# Altium PCB Copy of BGA_ACUity.PcbDoc (part 3 of 5) (continued)
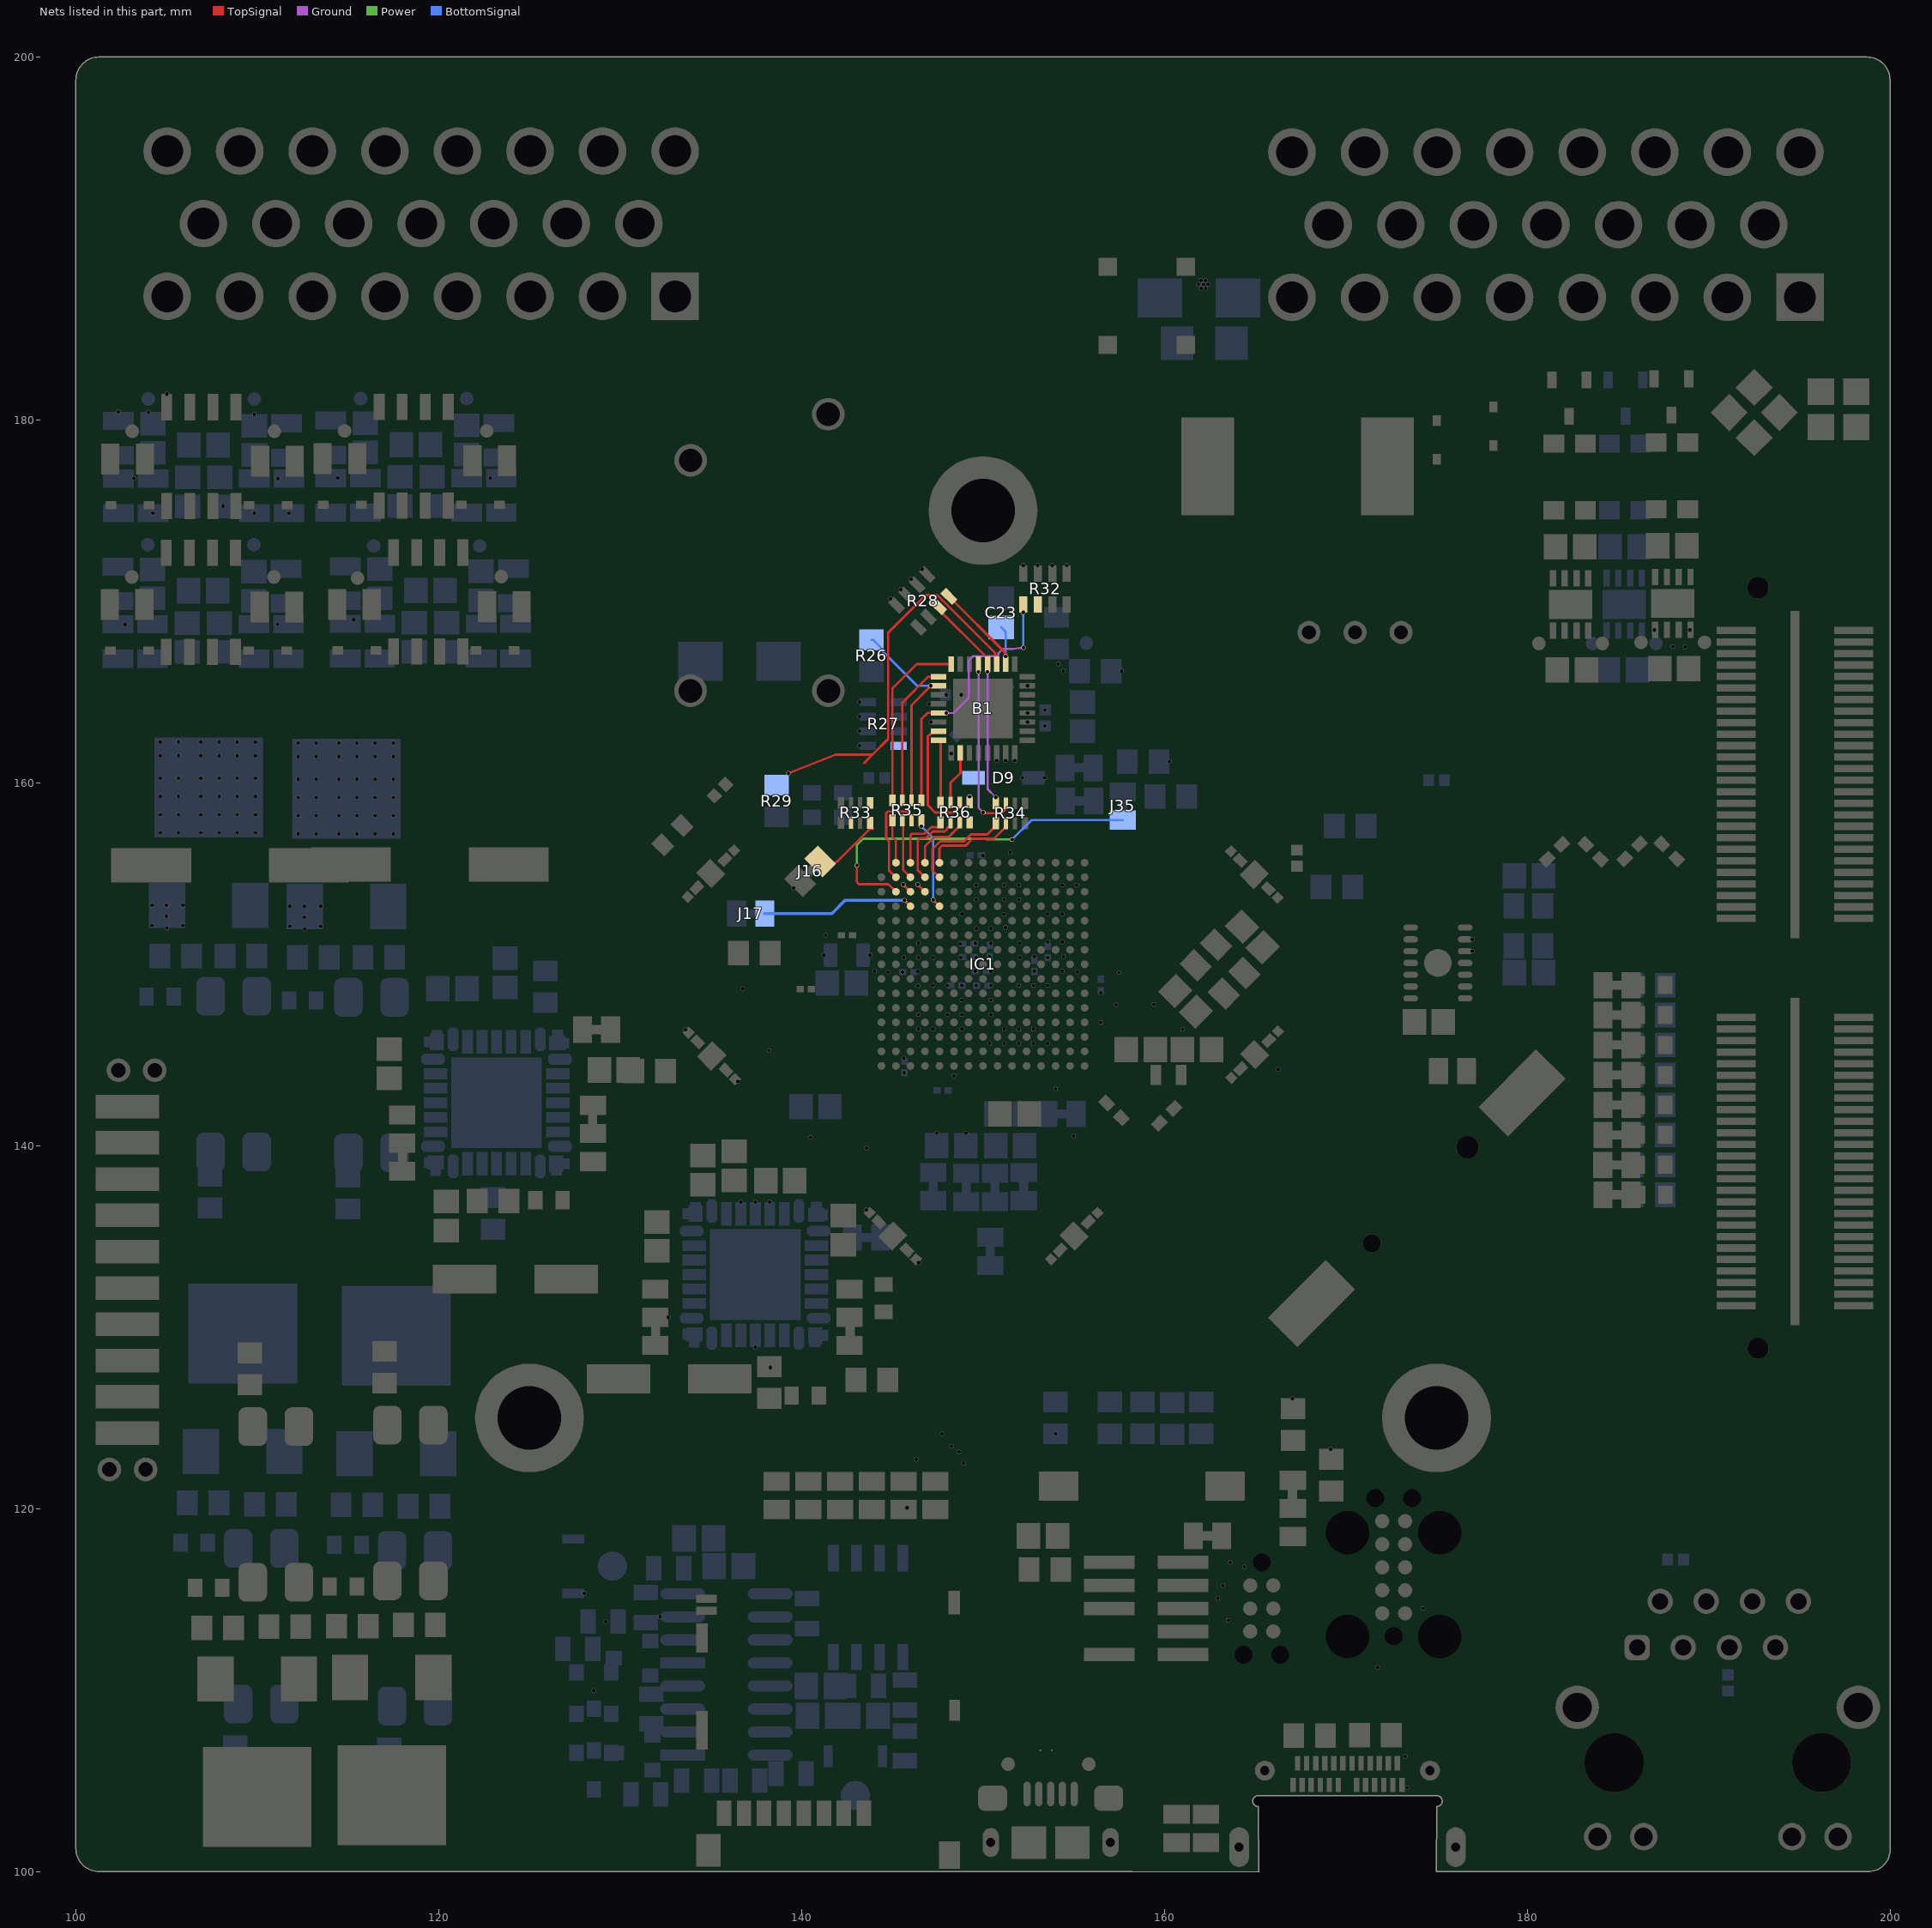
[diagram p5: the nets of this part, all layers, seen from the top]
## Part data (continued)
R31: library part RG2012P-1821-B-T5, "RES SMD 1.82K OHM 0.1% 1/8W 0805", Device Package="0805 (2012 Metric)", Manufacturer=Susumu, Operating Temperature="-55°C ~ 155°C", Power (Watts)="0.125W, 1/8W", Ratings=AEC-Q200, Supplier Device Package=0805, Supplier Part Number 1=RG20P1.82KBCT-ND, Temperature Coefficient=±25ppm/°C, Tolerance=±0.1%, ComponentLink1Description=Datasheet, ComponentLink1URL=http://www.susumu.co.jp/common/pdf/n_catalog_partition01_en.pdf, ComponentLink2Description="DigiKey Link", ComponentLink2URL=https://www.digikey.com/en/products/detail/susumu/RG2012P-1821-B-T5/1240695, Composition="Thin Film", Features="Anti-Sulfur, Automotive AEC-Q200", Height - Seated (Max)="0.020\" (0.50mm)", LastUpdated="08/02/2024 21:02:32", Lifecycle Status=Active, Minimum Order=1, Number of Terminations=2, Package / Case="0805 (2012 Metric)", Packaging=TapeAndReel, Part Number=RG2012P-1821-B-T5, Part Status=Active, PartId=29209, Price=0.05, Resistance="1.82 kOhms", Series=RG, Size / Dimension="0.079\" L x 0.049\" W (2.00mm x 1.25mm)", Supplier 1=DigiKey
R33 R34 R35 R36: library part EXB-28V433JX, "RES ARRAY 4 RES 43K OHM 0804", Manufacturer="Panasonic Electronic Components", Number of Resistors=4, Operating Temperature="-55°C ~ 125°C", Package / Case="0804, Convex, Long Side Terminals", Power Per Element=62.5mW, Resistance (Ohms)=43k, Supplier Device Package=0804, Supplier Part Number 1=Y7433CT-ND, Temperature Coefficient=±200ppm/°C, Tolerance=±5%, Applications="Automotive AEC-Q200", Circuit Type=Isolated, ComponentLink1Description=Datasheet, ComponentLink1URL=https://industrial.panasonic.com/cdbs/www-data/pdf/AOC0000/AOC0000C14.pdf, ComponentLink2Description="DigiKey Link", ComponentLink2URL=https://www.digikey.com/en/products/detail/panasonic-electronic-components/EXB-28V433JX/417403, Height - Seated (Max)="0.018\" (0.45mm)", LastUpdated="02/02/2024 21:35:40", Lifecycle Status=Active, Minimum Order=1, Mounting Type="Surface Mount", Number of Pins=8, Packaging=TapeAndReel, Part Number=EXB-28V433JX, Part Status=Active, PartId=428, Price=0.03, Series=EXB, Size / Dimension="0.079\" L x 0.039\" W (2.00mm x 1.00mm)", Supplier 1=DigiKey
R41 R53 R54 R55: library part RLP73V2BR016FTDF, "RES 0.016 OHM 1% 1/2W 1206", Device Package="1206 (3216 Metric)", Manufacturer="TE Connectivity Passive Product", Operating Temperature="-55°C ~ 155°C", Power (Watts)="0.5W, 1/2W", Supplier Device Package=1206, Supplier Part Number 1=A109626CT-ND, Temperature Coefficient=±600ppm/°C, Tolerance=±1%, ComponentLink1Description=Datasheet, ComponentLink1URL=https://www.te.com/commerce/DocumentDelivery/DDEController?Action=srchrtrv&DocNm=1773269&DocType=DS&DocLang=English, ComponentLink2Description="DigiKey Link", ComponentLink2URL=https://www.digikey.com/en/products/detail/te-connectivity-passive-product/RLP73V2BR016FTDF/4032001, Composition="Thick Film", Features="Current Sense", Height - Seated (Max)="0.026\" (0.65mm)", LastUpdated="09/02/2024 20:54:29", Lifecycle Status=Active, Minimum Order=1, Number of Terminations=2, Package / Case="1206 (3216 Metric)", Packaging=TapeAndReel, Part Number=RLP73V2BR016FTDF, Part Status=Active, PartId=30751, Price=0.16, Resistance="16 mOhms", Series="RL73, CGS", Size / Dimension="0.122\" L x 0.061\" W (3.10mm x 1.55mm)", Supplier 1=DigiKey
R48 R49: library part RR0510P-222-D, "RES SMD 2.2K OHM 0.5% 1/16W 0402", Device Package="0402 (1005 Metric)", Manufacturer=Susumu, Operating Temperature="-55°C ~ 125°C", Power (Watts)="0.063W, 1/16W", Supplier Part Number 1=RR05P2.2KDCT-ND, Temperature Coefficient=±25ppm/°C, Tolerance=±0.5%, ComponentLink1Description=Datasheet, ComponentLink1URL=http://www.susumu.co.jp/common/pdf/n_catalog_partition05_en.pdf, ComponentLink2Description="DigiKey Link", ComponentLink2URL=https://www.digikey.com/en/products/detail/susumu/RR0510P-222-D/432405, Composition="Thin Film", Height - Seated (Max)="0.016\" (0.40mm)", LastUpdated="09/02/2024 20:30:21", Lifecycle Status=Active, Minimum Order=1, Number of Terminations=2, Package / Case="0402 (1005 Metric)", Packaging=TapeAndReel, Part Number=RR0510P-222-D, Part Status=Active, PartId=3229, Price=0.01, Resistance="2.2 kOhms", Series=RR, Size / Dimension="0.039\" L x 0.020\" W (1.00mm x 0.50mm)", Supplier 1=DigiKey
R56 R66 R67 R68 R92 R93 U_Mosfets0_R45 U_Mosfets0_R46 U_Mosfets1_R45 U_Mosfets1_R46 U_Mosfets2_R45 U_Mosfets2_R46 U_Mosfets3_R45 U_Mosfets3_R46 U_Mosfets4_R45 U_Mosfets4_R46 U_Mosfets5_R45 U_Mosfets5_R46: library part 2176093-5, "RES SMD 10K OHM 0.1% 1/4W 0805", Device Package="0805 (2012 Metric)", Manufacturer="TE Connectivity Passive Product", Operating Temperature="-55°C ~ 155°C", Power (Watts)="0.25W, 1/4W", Supplier Device Package=0805, Supplier Part Number 1=A110639CT-ND, Temperature Coefficient=±25ppm/°C, Tolerance=±0.1%, ComponentLink1Description=Datasheet, ComponentLink1URL=https://www.te.com/commerce/DocumentDelivery/DDEController?Action=srchrtrv&DocNm=1773272&DocType=DS&DocLang=English, ComponentLink2Description="DigiKey Link", ComponentLink2URL=https://www.digikey.com/en/products/detail/te-connectivity-passive-product/2176093-5/4034107, Composition="Thin Film", Height - Seated (Max)="0.026\" (0.65mm)", LastUpdated="08/02/2024 21:02:35", Lifecycle Status=Active, Minimum Order=1, Number of Terminations=2, Package / Case="0805 (2012 Metric)", Packaging=TapeAndReel, Part Number=2176093-5, Part Status=Active, PartId=28478, Price=0.14, Resistance="10 kOhms", Series="RP73P, Holsworthy", Size / Dimension="0.079\" L x 0.049\" W (2.00mm x 1.25mm)", Supplier 1=DigiKey
S1: "Switch", Manufacturer_Name="TE Connectivity", Mouser Part Number=N/A, Arrow Part Number=1437566-4, Arrow Price/Stock=https://www.arrow.com/en/products/1437566-4/te-connectivity?region=europe, Datasheet Link=https://www.te.com/commerce/DocumentDelivery/DDEController?Action=showdoc&DocId=Customer+Drawing%7F1437566-3%7FC2%7Fpdf%7FEnglish%7FENG_CD_1437566-3_C7F14375662_1437566_3_1_c.dwg.pdf%-4, Height=4.87mm, Manufacturer_Part_Number=1437566-4, Mouser Price/Stock=https://www.mouser.co.uk/ProductDetail/TE-Connectivity-Alcoswitch/1437566-4?qs=xoXDFGdkQ2nbcMrTmW1sHA%3D%3D
T1: "WE-RJ45 LAN Transformer, THT, 1 Port, 10/100 Base-T, Tab Down", Manufacturer="Wurth Elektronik", Operating Temperature Max=70°C, Operating Temperature Min=0°C, Category="Filtered Connectors", ComponentLink1Description="Website Link", ComponentLink1URL=https://www.we-online.com/redexpert/article/74990111215A?ad, ComponentLink2Description="Datasheet Link", ComponentLink2URL=https://www.we-online.com/redexpert/spec/74990111215A?ad, Data Rate="10/100 Base-T", Height=13.74mm, LED=yellow-green, Length=21.84mm, Manufacturer Part Number=74990111215A, Match Code="WE-RJ45 LAN", Mount="Through Hole", Number of Ports=1, Packaging=Tube, PoE=non-PoE, Shield Tabs=Yes, Tab=Down, USB="No USB", Width=15.88mm
U1: "No Description Available", Mfr_Name="Traco Power", Copyright="Copyright (C) 2024 Ultra Librarian. All rights reserved.", Manufacturer_Part_Number="TSR 1-2450", RefDes=RefDes, Type=DEV
U2 U16: library part CMP-010-000001-5, "No Description Available", Mfr_Name=NXP, Design Item ID=MC33926PNBR2, RefDes=RefDes, Source=MC33926PNBR2.SchLib, Type=Type
U3: "No Description Available", Mfr_Name="Texas Instruments", RefDes=RefDes, Type="Power Management"
U4 U15: library part CMP-1685-00007-2, "IC OSC SGL TIMER 100KHZ 8-SOIC", Case/Package=SOIC, Frequency=100kHz, High Level Output Current=-200mA, Low Level Output Current=200mA, Max Operating Temperature=70°C, Max Supply Voltage=16V, Min Operating Temperature=0°C, Min Supply Voltage=4.5V, Operating Supply Current=10mA, Package Quantity=2500, Quiescent Current=15mA, Contact Plating=Gold, Height=1.58mm, Lead Free="Lead Free", Length=4.9mm, Mount="Surface Mount", Number of Pins=8, Number of Timers/Counters=1, Packaging="Tape and Reel", Radiation Hardening=No, REACH SVHC="No SVHC", Weight=0.002561oz, Width=3.91mm
U17 U18 U_Mosfets0_U5 U_Mosfets1_U5 U_Mosfets2_U5 U_Mosfets3_U5 U_Mosfets4_U5 U_Mosfets5_U5: "Optoisolator Transistor Output 5000Vrms 1 Channel 4-SMD", Package="SMD-4 Sharp Microelectronics", Availability="In Stock", Check_prices=https://www.snapeda.com/parts/PC817XI/Sharp+Microelectronics/view-part/?ref=eda, MF="Sharp Microelectronics", MP=PC817XI, Price=None, Purchase-URL=https://pricing.snapeda.com/search/part/PC817XI/?ref=eda, SnapEDA_Link=https://www.snapeda.com/parts/PC817XI/Sharp+Microelectronics/view-part/?ref=snap
U_ADC-Filter0_C78 U_ADC-Filter0_C79 U_ADC-Filter0_C80 U_ADC-Filter0_C88 U_ADC-Filter1_C78 U_ADC-Filter1_C79 U_ADC-Filter1_C80 U_ADC-Filter1_C88 U_ADC-Filter2_C78 U_ADC-Filter2_C79 U_ADC-Filter2_C80 U_ADC-Filter2_C88 U_ADC-Filter3_C78 U_ADC-Filter3_C79 U_ADC-Filter3_C80 U_ADC-Filter3_C88: library part 08055F473K4T2A, "CAP CER 0.047UF 50V X8R 0805", Device Package="0805 (2012 Metric)", Manufacturer="AVX Corporation", Operating Temperature="-55°C ~ 150°C", Ratings=AEC-Q200, Supplier Part Number 1=478-3612-1-ND, Temperature Coefficient=X8R, Tolerance=±10%, Voltage - Rated=50V, Applications=Automotive, Capacitance=0.047µF, ComponentLink1Description=Datasheet, ComponentLink1URL=http://datasheets.avx.com/AutoMLCC.pdf, ComponentLink2Description="DigiKey Link", ComponentLink2URL=http://digikey.com/product-detail/en/avx-corporation/08055F473K4T2A/478-3612-1-ND/1024965, Features="High Temperature", LastUpdated="02/09/2020 01:04:39", Lifecycle Status=Active, Minimum Order=1, Mounting Type="Surface Mount, MLCC", Package / Case="0805 (2012 Metric)", Packaging=TapeAndReel, Part Number=08055F473K4T2A, Part Status=Active, PartId=3914, Price=0.06, Series=-, Size / Dimension="0.079\" L x 0.049\" W (2.01mm x 1.25mm)", Supplier 1=DigiKey, Thickness (Max)="0.037\" (0.94mm)"
U_ADC-Filter0_R81 U_ADC-Filter0_R82 U_ADC-Filter0_R83 U_ADC-Filter0_R84 U_ADC-Filter0_R85 U_ADC-Filter0_R86 U_ADC-Filter0_R87 U_ADC-Filter0_R88 U_ADC-Filter1_R81 U_ADC-Filter1_R82 U_ADC-Filter1_R83 U_ADC-Filter1_R84 U_ADC-Filter1_R85 U_ADC-Filter1_R86 U_ADC-Filter1_R87 U_ADC-Filter1_R88 U_ADC-Filter2_R81 U_ADC-Filter2_R82 U_ADC-Filter2_R83 U_ADC-Filter2_R84 U_ADC-Filter2_R85 U_ADC-Filter2_R86 U_ADC-Filter2_R87 U_ADC-Filter2_R88 U_ADC-Filter3_R81 U_ADC-Filter3_R82 U_ADC-Filter3_R83 U_ADC-Filter3_R84 U_ADC-Filter3_R85 U_ADC-Filter3_R86 U_ADC-Filter3_R87 U_ADC-Filter3_R88: library part RES_0805, "Resistor SMD 0805"
U_Mosfets0_Q1 U_Mosfets1_Q1 U_Mosfets2_Q1 U_Mosfets3_Q1 U_Mosfets4_Q1 U_Mosfets5_Q1: "No Description Available", Mfr_Name="Renesas Electronics", RefDes=RefDes, Type=Type
U_Mosfets0_R44 U_Mosfets1_R44 U_Mosfets2_R44 U_Mosfets3_R44 U_Mosfets4_R44 U_Mosfets5_R44: library part JR0805X35E, "0805 35 AMP JUMPER", Device Package="0805 (2012 Metric)", Manufacturer=Ohmite, Operating Temperature="-55°C ~ 150°C", Power (Watts)=0.245W, Resistance="0 Ohms", Supplier Device Package=0805, Supplier Part Number 1=JR0805X35ECT-ND, Tolerance=Jumper, ComponentLink1Description=Datasheet, ComponentLink1URL=https://www.ohmite.com/assets/docs/res_jr.pdf?r=false, ComponentLink2Description="DigiKey Link", ComponentLink2URL=https://www.digikey.com/en/products/detail/ohmite/JR0805X35E/10233372, Composition="Metal Element", Height - Seated (Max)="0.022\" (0.55mm)", LastUpdated="08/02/2024 21:02:32", Lifecycle Status=Active, Minimum Order=1, Number of Terminations=2, Package / Case="0805 (2012 Metric)", Packaging=TapeAndReel, Part Number=JR0805X35E, Part Status=Active, PartId=29311, Price=0.06, Series=JR, Size / Dimension="0.079\" L x 0.049\" W (2.00mm x 1.25mm)", Supplier 1=DigiKey
U_TransceiversCanFD0_C6 U_TransceiversCanFD0_C7 U_TransceiversCanFD1_C6 U_TransceiversCanFD1_C7 U_TransceiversCanFD2_C6 U_TransceiversCanFD2_C7: library part CC0805MRX7R9BB104, "CAP CER 0.1UF 50V X7R 0805", Capacitance="0.1 µF", Device Package="0805 (2012 Metric)", Manufacturer=Yageo, Operating Temperature="-55°C ~ 125°C", Supplier Part Number 1=311-4351-1-ND, Temperature Coefficient=X7R, Tolerance=±20%, Voltage - Rated=50V, Applications="General Purpose", ComponentLink1Description=Datasheet, ComponentLink1URL=https://www.yageo.com/upload/media/product/productsearch/datasheet/mlcc/UPY-GPHC_X7R_6.3V-to-50V_18.pdf, ComponentLink2Description="DigiKey Link", ComponentLink2URL=https://www.digikey.com/en/products/detail/yageo/CC0805MRX7R9BB104/5884281, LastUpdated="09/02/2024 20:16:09", Lifecycle Status=Active, Minimum Order=1, Mounting Type="Surface Mount, MLCC", Package / Case="0805 (2012 Metric)", Packaging=TapeAndReel, Part Number=CC0805MRX7R9BB104, Part Status=Active, PartId=2475, Price=0.01, Series=CC, Size / Dimension="0.079\" L x 0.049\" W (2.00mm x 1.25mm)", Supplier 1=DigiKey, Thickness (Max)="0.037\" (0.95mm)"
U_TransceiversCanFD0_FL1 U_TransceiversCanFD1_FL1 U_TransceiversCanFD2_FL1: "Filter", Manufacturer_Name=COILCRAFT, Mouser Part Number=994-1812CAN-223NRC, Datasheet Link=https://www.coilcraft.com/getmedia/07970769-ca48-411d-9c96-6ae867bbb31e/1812can.pdf, Height=3mm, Manufacturer_Part_Number=1812CAN-223NRC, Mouser Price/Stock=https://www.mouser.co.uk/ProductDetail/Coilcraft/1812CAN-223NRC?qs=wnTfsH77Xs58ULcmqHaGYA%3D%3D
U_TransceiversCanFD0_IC2 U_TransceiversCanFD1_IC2 U_TransceiversCanFD2_IC2: "Integrated Circuit", Arrow Part Number=MCP2542FD-E/MF, Manufacturer_Name=Microchip, Mouser Part Number=579-MCP2542FD-E/MF, Arrow Price/Stock=https://www.arrow.com/en/products/mcp2542fd-emf/microchip-technology?region=nac, Datasheet Link=http://ww1.microchip.com/downloads/en/devicedoc/20005514a.pdf, Height=1mm, Manufacturer_Part_Number=MCP2542FD-E/MF, Mouser Price/Stock=https://www.mouser.co.uk/ProductDetail/Microchip-Technology-Atmel/MCP2542FD-E-MF?qs=l7cgNqFNU1jog4BwTzULBw%3D%3D
U_TransceiversCanFD0_U6 U_TransceiversCanFD1_U6 U_TransceiversCanFD2_U6: "No Description Available", Mfr_Name="Littelfuse Inc", RefDes=RefDes, Type=Type
VR1: "Variable Resistor", Manufacturer_Name="TE Connectivity", Mouser Part Number=279-3203X103P, Arrow Part Number=3203X103P, Arrow Price/Stock=https://www.arrow.com/en/products/3203x103p/te-connectivity?region=nac, Datasheet Link=http://uk.rs-online.com/web/p/products/1643597, Height=2mm, Manufacturer_Part_Number=3203X103P, Mouser Price/Stock=https://www.mouser.co.uk/ProductDetail/TE-Connectivity-Holsworthy/3203X103P?qs=XJ0cKXPVHETivrJ39hPSBw%3D%3D
Y1: library part 830062558, "WE-XTAL Watch Crystal, SMT, IQXC-25, 32.768kHz, +/-10ppm", Case/Size Code=IQXC-25, Frequency Tolerance=+/-10ppm, Load Capacitance=9pF, Manufacturer="Wurth Elektronik", Operating Temperature Max=85°C, Operating Temperature Min=-40°C, Category=Crystals, ComponentLink1Description="Website Link", ComponentLink1URL=https://www.we-online.com/redexpert/article/830062558?ad, ComponentLink2Description="Datasheet Link", ComponentLink2URL=https://www.we-online.com/redexpert/spec/830062558?ad, Frequency=32.768kHz, Height=0.6mm, Length=2mm, Manufacturer Part Number=830062558, Match Code=WE-XTAL, Mount="Surface Mount", Packaging="Tape and Reel", Width=1.2mm
Y2 Y3: library part 830108207209, "WE-XTAL Quartz Crystal, SMT, CFPX-180, 20MHz, +/-10ppm", Case/Size Code=CFPX-180, Frequency Stability=+/-20ppm, Frequency Tolerance=+/-10ppm, Load Capacitance=8pF, Manufacturer="Wurth Elektronik", Operating Temperature Max=85°C, Operating Temperature Min=-40°C, Category=Crystals, ComponentLink1Description="Website Link", ComponentLink1URL=https://www.we-online.com/redexpert/article/830108207209?ad, ComponentLink2Description="Datasheet Link", ComponentLink2URL=https://www.we-online.com/redexpert/spec/830108207209?ad, Frequency=20MHz, Height=0.8mm, Length=3.4mm, Manufacturer Part Number=830108207209, Match Code=WE-XTAL, Mount="Surface Mount", Packaging="Tape and Reel", Width=2.7mm
Y4: "WE-SPXO Simple Packaged Quartz Oscillator, SMT, IQXO-791, 50MHz, 3.3V", Case/Size Code=IQXO-791, Frequency=50MHz, Frequency Stability=+/-25ppm, Manufacturer="Wurth Elektronik", Operating Temperature Max=70°C, Operating Temperature Min=-20°C, Supply Voltage=3.3V, Category=Oscillators, ComponentLink1Description="Website Link", ComponentLink1URL=https://www.we-online.com/redexpert/article/830208220901?ad, ComponentLink2Description="Datasheet Link", ComponentLink2URL=https://www.we-online.com/redexpert/spec/830208220901?ad, Height=1mm, Length=2.5mm, Manufacturer Part Number=830208220901, Match Code=WE-SPXO, Mount="Surface Mount", Packaging="Tape and Reel", Width=2mm

## Free pads (board coordinates)
  round 0.25 hole 0.2 unplated: 1(102.342,180.447) 1(102.711,168.734) 1(103.194,176.786) 1(103.993,180.427) 1(104.197,152.151) 1(104.197,153.251) 1(104.247,174.872) 1(104.647,157.251) 1(104.647,157.251) 1(104.647,158.251) 1(104.647,159.251) 1(104.647,160.251) 1(104.647,161.501) 1(104.647,162.251) 1(104.997,152.651) 1(104.997,153.251) 1(105.009,181.431) 1(105.017,151.997) 1(105.647,157.251) 1(105.647,157.251) 1(105.647,158.251) 1(105.647,159.251) 1(105.647,160.251) 1(105.647,161.501) 1(105.647,162.251) 1(105.897,152.151) 1(105.897,153.251) 1(106.897,157.251) 1(106.897,157.251) 1(106.897,158.251) 1(106.897,159.251) 1(106.897,160.251) 1(106.897,161.501) 1(106.897,162.251) 1(107.897,157.251) 1(107.897,157.251) 1(107.897,158.251) 1(107.897,159.251) 1(107.897,160.251) 1(107.897,161.501) 1(107.897,162.251) 1(108.105,175.256) 1(108.897,157.251) 1(108.897,157.251) 1(108.897,158.251) 1(108.897,159.251) 1(108.897,160.251) 1(108.897,161.501) 1(108.897,162.251) 1(109.835,174.872) 1(109.835,180.32) 1(109.897,157.251) 1(109.897,157.251) 1(109.897,158.251) 1(109.897,159.251) 1(109.897,160.251) 1(109.897,161.501) 1(109.897,162.251) 1(111.116,168.741) 1(111.14,176.772) 1(111.74,174.872) 1(111.792,152.094) 1(111.792,153.194) 1(112.242,157.194) 1(112.242,157.194) 1(112.242,158.194) 1(112.242,159.194) 1(112.242,160.194) 1(112.242,161.444) 1(112.242,162.194) 1(112.592,152.594) 1(112.592,153.194) 1(112.613,151.941) 1(113.242,157.194) 1(113.242,157.194) 1(113.242,158.194) 1(113.242,159.194) 1(113.242,160.194) 1(113.242,161.444) 1(113.242,162.194) 1(113.492,152.094) 1(113.492,153.194) 1(114.441,176.804) 1(114.492,157.194) 1(114.492,157.194) 1(114.492,158.194) 1(114.492,159.194) 1(114.492,160.194) 1(114.492,161.444) 1(114.492,162.194) 1(115.316,168.986) 1(115.492,157.194) 1(115.492,157.194) 1(115.492,158.194) 1(115.492,159.194) 1(115.492,160.194) 1(115.492,161.444) 1(115.492,162.194) 1(116.492,157.194) 1(116.492,157.194) 1(116.492,158.194) 1(116.492,159.194) 1(116.492,160.194) 1(116.492,161.444) 1(116.492,162.194) 1(117.492,157.194) 1(117.492,157.194) 1(117.492,158.194) 1(117.492,159.194) 1(117.492,160.194) 1(117.492,161.444) 1(117.492,162.194) 1(122.844,176.792) 1(128.013,115.333) 1(128.549,109.975) 1(129.201,113.785) 1(132.209,114.039) 1(132.65,130.55) 1(133.6,146.4) 1(136.491,143.537) 1(136.65,136.9) 1(136.756,148.654) 1(137.45,128.9) 1(137.45,136.9) 1(138.206,145.244) 1(138.25,136.9) 1(138.279,127.783) 1(139.275,160.525) 1(139.556,154.206) 1(140.506,140.471) 1(141.22,150.507) 1(141.326,151.6) 1(143.05,155.451) 1(143.2,162.05) 1(143.2,162.85) 1(143.2,163.65) 1(143.2,164.45) 1(143.561,136.467) 1(143.575,139.875) 1(143.575,139.875) 1(143.77,150.507) 1(144.032,149.632) 1(144.768,149.568) 1(144.905,170.153) 1(145.473,170.661) 1(145.568,149.568) 1(145.6,154.4) 1(145.632,144.832) 1(145.632,150.368) 1(145.661,144.024) 1(145.674,153.528) 1(145.815,120.049) 1(146.039,171.227) 1(146.323,122.716) 1(146.4,149.6) 1(146.4,154.4) 1(146.417,148.817) 1(146.431,150.368) 1(146.432,146.432) 1(146.432,147.232) 1(146.432,151.168) 1(146.45,133.55) 1(146.604,157.609) 1(146.642,171.781) 1(147.025,164.35) 1(147.125,163.35) 1(147.125,165.35) 1(147.232,146.432) 1(147.232,148.832) 1(147.232,150.368) 1(147.25,153.55) 1(147.45,140.7) 1(147.752,124.13) 1(147.975,163.85) 1(147.975,164.85) 1(148.032,147.232) 1(148.032,148.832) 1(148.249,161.619) 1(148.255,123.445) 1(148.403,143.861) 1(148.667,123.138) 1(148.742,151.13) 1(148.767,150.367) 1(148.805,164.85) 1(148.832,146.432) 1(148.832,147.232) 1(148.832,148.032) 1(148.832,148.832) 1(148.832,152.768) 1(148.92,122.504) 1(149.05,140.7) 1(149.263,159.244) 1(149.568,149.632) 1(149.581,151.167) 1(149.632,148.832) 1(149.632,151.968) 1(149.632,153.568) 1(149.632,154.368) 1(149.633,150.367) 1(149.75,166.125) 1(150,155.983) 1(150.014,158.375) 1(150.25,166.125) 1(150.368,145.632) 1(150.368,150.432) 1(150.432,147.232) 1(150.432,148.032) 1(150.432,148.832) 1(150.432,149.632) 1(150.432,151.168) 1(150.432,151.968) 1(150.707,159.202) 1(150.75,161.225) 1(151.155,152.756) 1(151.168,145.632) 1(151.168,146.432) 1(151.168,153.568) 1(151.168,154.368) 1(151.232,152.032) 1(151.25,161.225) 1(151.25,166.975) 1(151.498,156.177) 1(151.6,156.875) 1(151.75,161.225) 1(151.968,145.632) 1(151.968,146.432) 1(151.968,148.832) 1(151.968,153.568) 1(151.968,154.368) 1(152.032,150.368) 1(152.032,151.168) 1(152.155,160.274) 1(152.216,169.388) 1(152.216,171.988) 1(152.225,167.45) 1(152.45,163.35) 1(152.45,163.85) 1(152.45,165.35) 1(152.768,145.632) 1(152.768,146.432) 1(152.768,148.832) 1(152.832,149.632) 1(152.832,150.432) 1(153.014,171.991) 1(153.405,160.274) 1(153.416,163.136) 1(153.416,164.016) 1(153.568,145.632) 1(153.568,148.832) 1(153.568,150.368) 1(153.568,151.232) 1(153.568,152.768) 1(153.816,171.988) 1(154,124.125) 1(154,143.141) 1(154.15,166.55) 1(154.368,149.632) 1(154.368,151.232) 1(154.368,152.768) 1(154.368,154.368) 1(154.43,166.158) 1(154.432,150.432) 1(154.616,171.988) 1(155,140.55) 1(155.168,154.368) 1(155.2,149.575) 1(156.479,146.8) 1(156.5,148.422) 1(157.35,147.775) 1(157.5,149.546) 1(157.641,166.157) 1(159.425,147.8) 1(160.275,161.175) 1(161,146.425) 1(161.874,187.477) 1(162.001,187.681) 1(162.027,187.249) 1(162.145,187.468) 1(162.255,187.681) 1(162.281,187.249) 1(162.408,187.477) 1(162.943,115.057) 1(163.228,115.768) 1(163.517,113.843) 1(163.624,117.04) 1(164.411,116.793) 1(166.265,144.212) 1(167.049,126.071) 1(169.158,123.277) 1(171.75,111.25) 1(173.279,106.35) 1(173.38,104.623) 1(174.25,114.5) 1(176.975,150.725) 1(176.975,151.375) 1(187.013,168.426) 1(188.02,167.513) 1(188.697,167.488) 1(188.963,168.426)

## Via types
v1: diameter 0.5, hole 0.2, TopSignal to BottomSignal, 32 vias
v2: diameter 0.5, hole 0.3, TopSignal to BottomSignal, 24 vias
v3: diameter 0.6, hole 0.3, TopSignal to BottomSignal, 8 vias
v4: diameter 0.45, hole 0.2, TopSignal to BottomSignal, 5 vias

## Nets (pads, with @x,y where several pads share a name; then routed paths per layer and width w, separated by ;. In a path a pad name is that pad's centre, name@x,y a point inside that pad or via, vN(x,y) a via of type N, cw(c..) or ccw(c..) an arc to the next point about the centre after c; other vN are vias at no path point)
1-CLK: IC1.C4 pad.1@146.4,154.4 R33.6 | length 0.6
  TopSignal w0.131: pad.1@146.4,154.4 IC1.C4@146.8,154 IC1.C4@146.75,154
1-CRS_DV: IC1.B2 R35.7 | length 5.5
  TopSignal w0.131: IC1.B2@145.2,154.8 144.82,155.18 144.82,156.775 144.662,156.933 144.662,158.328 144.76,158.426 145.762,158.426 146.054,158.134 R35.7@146.054,157.934
1-EXOUT: IC1.C3 pad.1@145.6,154.4 R36.8 | length 0.6
  TopSignal w0.131: pad.1@145.6,154.4 IC1.C3@146,154
1-INT: J16.P1 R33.8 | length 3.7
  TopSignal w0.131: J16.P1@141.023,155.673 141.146,155.55 141.796,155.55 141.918,155.673 141.978,155.673 143.775,157.47 R33.8@143.925,157.47
1-LINKSTA: IC1.C2 J35.P0 pad.1@143.05,155.451 pad.1@151.6,156.875 | length 19.7
  TopSignal w0.131: pad.1@143.05,155.451 143.05,154.527 143.157,154.42 144.78,154.42 IC1.C2@145.2,154
  Power w0.131: pad.1@143.05,155.451 143.05,156.588 143.387,156.925 150.162,156.925 150.204,156.884 151.592,156.884 pad.1@151.6,156.875
  BottomSignal w0.131: pad.1@151.6,156.875 152.675,157.95 J35.P0@157.7,157.95
1-MDC: IC1.A5 R34.6 | length 5.1
  TopSignal w0.131: IC1.A5@147.6,155.6 147.6,156.396 147.746,156.543 149.051,156.543 149.424,156.915 150.595,156.915 151.257,157.577 R34.6@151.257,157.777
1-MDIO: IC1.B5 R34.5 | length 5.9
  TopSignal w0.131: IC1.B5@147.6,154.8 147.22,155.18 147.22,156.345 147.65,156.775 148.955,156.775 149.332,157.152 150.232,157.152 150.707,157.627 R34.5@150.707,157.777
1-RX_ER: IC1.D5 pad.1@146.604,157.609 pad.1@147.25,153.55 R35.8 | length 4.8
  TopSignal w0.131: pad.1@147.25,153.55 IC1.D5@147.6,153.2
  BottomSignal w0.131: pad.1@146.604,157.609 147.25,156.964 pad.1@147.25,153.55
1-RXD_N: IC1.B3 R35.6 | length 3.3
  TopSignal w0.131: R35.6@145.554,157.934 145.603,157.886 145.603,155.197 IC1.B3@146,154.8
1-RXD_P: IC1.A2 R35.5 | length 2.4
  TopSignal w0.131: R35.5@145.004,157.934 145.004,157.021 145.2,156.825 IC1.A2@145.2,155.6
1-TXD_EN: IC1.A4 R36.7 | length 3.5
  TopSignal w0.131: IC1.A4@146.8,155.6 146.8,156.5 147.33,157.03 148.124,157.03 148.713,157.619 R36.7@148.713,157.819
1-TXD_N: IC1.A3 R36.5 | length 3.6
  TopSignal w0.131: IC1.A3@146,155.6 146,157.115 146.079,157.194 146.776,157.194 147.142,157.559 147.553,157.559 147.663,157.669 R36.5@147.663,157.819
1-TXD_P: IC1.B4 R36.6 | length 4.6
  TopSignal w0.131: IC1.B4@146.8,154.8 146.4,155.2 146.4,156.825 146.536,156.961 146.873,156.961 147.238,157.327 147.907,157.327 148.005,157.425 148.005,157.483 148.082,157.559 148.153,157.559 148.213,157.619 R36.6@148.213,157.819
1-WAKEONLAN: IC1.D3 J17.P1 pad.1@145.674,153.528 | length 8.5
  TopSignal w0.171: pad.1@145.674,153.528 145.996,153.196 IC1.D3@146,153.2
  BottomSignal w0.171: J17.P1@137.975,152.8 141.67,152.8 142.397,153.528 pad.1@145.674,153.528
1_0-CRS_DV_7: B1.18 pad.1@147.125,165.35 R26.1 R35.2 | length 11.7
  TopSignal w0.131: R35.2@146.054,159.034 146.054,164.279 pad.1@147.125,165.35 147.154,165.265 147.465,165.265 B1.18@147.55,165.35
  BottomSignal w0.131: R26.1@143.85,167.875 143.95,167.875 144.46,167.365 144.46,167.265 146.375,165.35 pad.1@147.125,165.35
1_0-EXOUT_7: B1.10 C23.1 D9.2 pad.1@149.263,159.244 pad.1@151.25,166.975 R28.4 R36.1 | length 6.3
  TopSignal w0.131: R28.4@148.125,170.273 151.227,167.17 151.227,166.997 pad.1@151.25,166.975
  BottomSignal w0.131: C23.1@151,168.575 151.25,168.325 pad.1@151.25,166.975
1_0-INT_7: B1.11 pad.1@139.275,160.525 R29.1 R33.1 | length 21.9
  TopSignal w0.131: pad.1@139.275,160.525 141.85,161.55 143.906,161.55 ; B1.11@150.75,166.55 150.665,166.634 150.665,167.155 147.469,170.351 146.851,170.351 144.772,168.272 144.772,162.416 143.906,161.55 ; 143.906,161.55 143.45,161.094 143.906,161.55
1_0-MDC_7: B1.13 pad.1@149.75,166.125 pad.1@150.014,158.375 R34.3 | length 9.6
  TopSignal w0.131: pad.1@150.014,158.375 150,158.35 150.025,158.325 151.03,158.325 151.197,158.492 151.197,158.817 R34.3@151.257,158.877
  Ground w0.113: pad.1@149.75,166.125 149.75,158.638 pad.1@150.014,158.375
1_0-MDIO_7: B1.12 pad.1@150.25,166.125 pad.1@150.707,159.202 R28.3 R34.4 | length 11.4
  TopSignal w0.131: R28.3@147.559,169.707 147.559,169.552 150.165,166.945 150.165,166.634 B1.12@150.25,166.55
  Ground w0.113: pad.1@150.25,166.125 150.25,159.659 pad.1@150.707,159.202
1_0-RX_ER_7: B1.21 pad.1@147.975,163.85 pad.1@152.216,169.388 pad.1@152.225,167.45 R32.5 R35.1 | length 14.5
  TopSignal w0.131: R35.1@146.604,159.034 146.604,163.509 146.955,163.859 147.54,163.859 B1.21@147.55,163.85
  Ground w0.113: pad.1@147.975,163.85 148.38,163.85 149.212,164.681 149.212,166.743 149.443,166.975 150.777,166.975 150.843,167.041 150.843,167.143 151.082,167.381 151.656,167.381 pad.1@152.225,167.45
  BottomSignal w0.131: pad.1@152.216,169.388 152.221,169.384 152.221,167.454 pad.1@152.225,167.45
1_0-RXD_7_N: B1.17 R27.8 R35.3 | length 8
  TopSignal w0.131: R35.3@145.554,159.034 145.554,164.429 146.975,165.85 B1.17@147.55,165.85
1_0-RXD_7_P: B1.16 R32.6 R35.4 | length 10
  TopSignal w0.131: R35.4@145.004,159.034 145.004,165.204 146.35,166.55 B1.16@148.25,166.55
1_0-TXD_7_N: B1.24 R36.4 | length 3.5
  TopSignal w0.131: B1.24@147.55,162.35 147.578,162.35 147.663,162.265 R36.4@147.663,158.919
1_0-TXD_7_P: B1.26 R36.3 | length 3
  TopSignal w0.131: R36.3@148.213,158.919 148.213,160.008 148.75,160.545 B1.26@148.75,161.65
1_0-TXD_EN_7: B1.23 R36.2 | length 6.8
  TopSignal w0.131: B1.23@147.55,162.85 147.275,162.85 147.092,162.667 147.056,162.667 146.958,162.569 146.958,158.776 147.365,158.369 148.363,158.369 148.713,158.719 R36.2@148.713,158.919